# Allegro board ad-fmcmotcon1-ebz_layout.brd (continued)
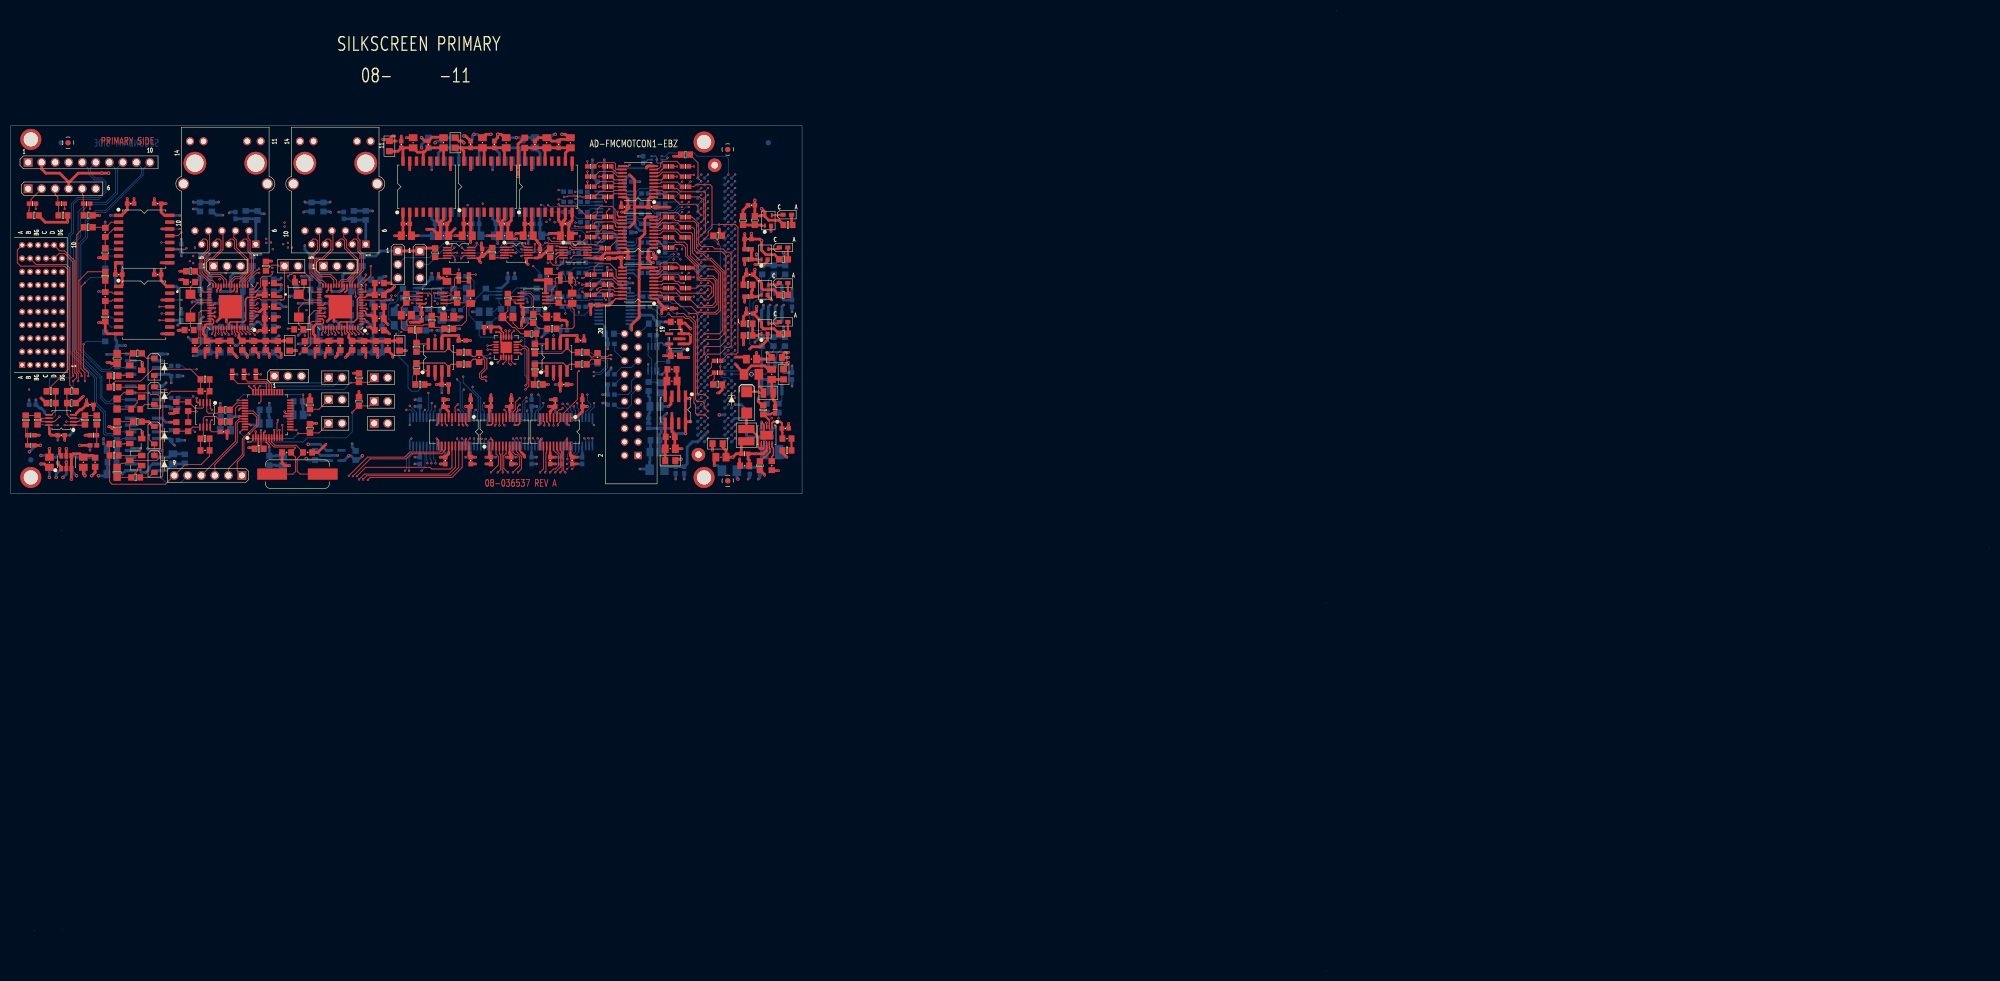
[diagram p0: board, top side]
## Placement (name value [footprint] x y rotation side) (continued)
R106  4.7K  [R0603]  7.59 108.78 0 bottom
R107  4.7K  [R0603]  16.17 103.38 90 bottom
R108  4.7K  [R0603]  11.4 108.78 180 bottom
R109  470  [R0603]  7.59 106.55 180 bottom
R110  470  [R0603]  11.4 106.55 0 bottom
R111  470  [R0603]  5.05 103.38 270 bottom
R112  470  [R0603]  13.94 103.38 270 bottom
R113  22  [R0603]  17.75 119 90 bottom
R114  22  [R0603]  17.75 126.56 270 bottom
R115  22  [R0603]  17.75 131 90 bottom
R116  22  [R0603]  17.75 138.62 270 bottom
R117  24K  [R0402]  99.99 130.37 0 bottom
R118  24K  [R0402]  84.75 130.37 0 bottom
R119  24K  [R0402]  99.67 124.02 180 bottom
R120  24K  [R0402]  83.79 124.02 180 bottom
R121  22  [R0603]  98.72 127.19 270 bottom
R122  22  [R0603]  89.19 127.19 270 bottom
R123  22  [R0603]  83.16 127.19 270 bottom
R124  22  [R0603]  73.63 127.19 270 bottom
R125  51K  [R0603]  94.27 123.38 270 bottom
R126  51K  [R0603]  78.4 123.38 270 bottom
R127  51K  [R0603]  92.05 123.38 90 bottom
R128  51K  [R0603]  76.17 123.38 90 bottom
R129  1K  [R0603]  99.03 110.05 0 bottom
R130  1K  [R0603]  99.67 120.21 180 bottom
R131  1K  [R0603]  76.81 110.05 180 bottom
R132  1K  [R0603]  77.13 120.21 180 bottom
R133  301  [R0603]  98.4 113.22 90 bottom
R134  301  [R0603]  76.17 113.22 90 bottom
R135  301  [R0603]  98.4 117.03 270 bottom
R136  301  [R0603]  76.17 117.03 270 bottom
R137  22  [R0603]  107.29 113.86 0 bottom
R138  22  [R0603]  107.29 116.08 0 bottom
R139  22  [R0603]  85.06 113.86 0 bottom
R140  22  [R0603]  85.06 116.08 0 bottom
R141  0  [R0402]  30.77 101.47 180 bottom
R142  0  [R0402]  30.77 107.51 180 bottom
R143  0  [R0402]  30.77 113.54 180 bottom
R144  10K  [R0603]  101.26 134.81 90 top
R145  10K  [R0603]  79.67 134.81 90 top
R146  100  [R0603]  19.98 100.52 270 bottom
R147  100  [R0603]  19.98 106.55 270 bottom
R148  100  [R0603]  19.98 112.59 270 bottom
R149  10K  [R0603]  90.4 134.87 90 top
R150  10K  [R0603]  46.65 97.98 0 top
R151  10K  [R0603]  56.17 106.24 270 top
R152  10K  [R0603]  56.17 101.79 270 top
R153  10K  [R0603]  65.38 111.32 270 top
R154  10K  [R0603]  65.38 106.87 270 top
R155  0  [R0402]  46.01 111.95 90 top
R156  0  [R0402]  43.79 111.95 90 top
R157  0  [R0402]  41.57 111.95 90 top
R158  10K  [R0603]  40.3 105.28 180 top
R159  10K  [R0603]  40.3 103.06 180 top
R160  10K  [R0603]  36.49 111 180 top
R161  10K  [R0603]  36.49 99.89 0 top
R162  10K  [R0603]  33.31 105.92 90 top
R163  10K  [R0603]  33.31 102.11 270 top
R164  10K  [R0603]  31.09 105.92 270 top
R165  10K  [R0603]  31.09 102.11 90 top
R166  2.2K  [R0805]  19.98 106.36 270 top
R167  3.3  [R0603]  23.47 105.41 0 top
R168  3.3  [R0603]  23.79 115.89 180 top
R169  2.2K  [R0805]  19.98 114.94 270 top
R170  2.2K  [R0805]  19.98 93.54 270 top
R171  3.3  [R0603]  23.47 92.58 0 top
R172  3.3  [R0603]  23.79 103.06 180 top
R173  2.2K  [R0805]  19.98 102.11 270 top
R174  4.7  [R0603]  19.41 109.54 180 top
R175  4.7  [R0603]  19.41 111.7 0 top
R176  4.7  [R0603]  19.41 96.71 180 top
R177  4.7  [R0603]  19.41 98.87 0 top
R178  4.7K  [R0603]  14.58 141.8 180 top
R179  4.7K  [R0603]  9.82 141.8 180 top
R180  4.7K  [R0603]  4.42 141.8 180 top
R181  10  [R0402]  4.1 144.02 0 top
R182  10  [R0402]  9.5 144.02 0 top
R183  10  [R0402]  14.26 144.02 0 top
R184  10K  [R0603]  120.62 121.48 180 bottom
R185  1.5K  [R0603]  132.69 137.99 180 top
R186  1.5K  [R0603]  132.69 110.05 180 top
R187  0  [R0402]  132.69 112.27 180 top
R188  0  [R0402]  132.69 114.49 180 top
R189  1K  [R0603]  112.37 119.57 0 bottom
R190  0  [R0402]  112.69 117.67 180 bottom
R191  100  [R0603]  126.66 153.23 0 top
R192  4.7K  [R0603]  143.17 118.11 270 bottom
R193  1K  [R0603]  144.12 105.6 90 bottom
R194  4.7K  [R0603]  145.33 118.11 270 bottom
R195  1K  [R0603]  141.9 105.6 90 bottom
R196  4.7K  [R0603]  141.01 118.11 270 bottom
R197  4.99K  [R0603]  33.76 131.32 180 top
R198  4.99K  [R0603]  47.92 132.27 270 top
R199  1MEG  [R0603]  35.53 143.38 270 bottom
R200  4.99K  [R0603]  53.63 127.51 270 bottom
R201  1MEG  [R0603]  56.49 143.38 270 bottom
R202  82K  [R0603]  139.67 140.84 270 top
R203  20K  [R0603]  137.45 140.84 90 top
R204  10.2K  [R0603]  119.74 109.66 90 bottom
R205  2.55K  [R0805]  122.02 109.41 270 bottom
R206  33  [R0402]  123.42 113.73 270 bottom
R207  33  [R0402]  120.62 119.32 0 bottom
R208  120  [R0603]  145.9 140.02 0 top
R209  62K  [R0402]  138.4 133.54 0 top
R210  36K  [R0402]  138.4 135.45 180 top
R211  120  [R0603]  145.07 133.54 0 top
R212  68.1K  [R0402]  138.4 126.56 0 top
R213  10K  [R0603]  138.4 128.78 180 top
R214  120  [R0603]  145.07 126.87 0 top
R215  180K  [R0603]  138.4 119.25 0 top
R216  10K  [R0603]  138.4 121.48 180 top
R217  120  [R0603]  145.07 119.57 0 top
R218  31.6K  [R0603]  141.26 105.28 270 top
R219  69.8K  [R0603]  140.63 94.81 270 top
R220  95.3K  [R0402]  143.48 105.28 90 top
R221  2.74K  [R0603]  145.71 97.66 180 top
R222  1  [R0402]  137.77 97.03 0 top
R223  33  [R0402]  122.21 145.92 180 bottom
R224  33  [R0402]  122.21 144.02 180 bottom
R225  33  [R0402]  119.04 145.92 180 bottom
R226  33  [R0402]  104.43 146.24 0 bottom
R227  33  [R0402]  107.61 146.24 0 bottom
R228  33  [R0402]  107.61 144.34 0 bottom
R229  0  [R0402]  15.53 98.62 0 top
R230  0  [R0402]  3.78 98.62 180 top
R231  0  [R0402]  15.53 100.52 0 top
R232  0  [R0402]  3.78 100.52 180 top
R233  0  [R0402]  3.78 98.62 180 bottom
R234  0  [R0402]  15.53 98.62 0 bottom
R235  0  [R0402]  3.78 100.52 180 bottom
R236  0  [R0402]  15.53 100.52 0 bottom
R237  33  [R0402]  119.04 144.02 180 bottom
R238  33  [R0402]  119.04 140.21 180 bottom
R239  33  [R0402]  119.35 126.56 180 bottom
R240  33  [R0402]  119.35 124.65 180 bottom
R241  33  [R0402]  104.43 144.34 0 bottom
R242  33  [R0402]  104.43 142.43 0 bottom
R243  33  [R0402]  104.43 140.53 0 bottom
R244  33  [R0402]  104.11 126.56 0 bottom
R245  33  [R0402]  104.11 124.65 0 bottom
R246  33  [R0402]  107.61 142.43 0 bottom
R247  33  [R0402]  107.61 140.53 0 bottom
R248  33  [R0402]  107.29 126.56 0 bottom
R249  33  [R0402]  107.29 124.65 0 bottom
U1  ADG3308BRUZ  [TSSOP20]  117.77 148.15 90 top
U2  ADG3308BRUZ  [TSSOP20]  117.77 138.62 90 top
U3  ADG3308BRUZ  [TSSOP20]  113.32 133.86 270 bottom
U4  ADG3308BRUZ  [TSSOP20]  117.77 129.1 90 top
U5  ADUM7640CRQZ  [QSOP20]  83.16 101.16 180 top
U6  ADUM7640CRQZ  [QSOP20]  92.68 101.16 0 top
U7  ADG3308BRUZ  [TSSOP20]  113.32 143.38 270 bottom
U8  AD7401AYRWZ  [SO16WB]  25.06 137.35 270 top
U9  AD7401AYRWZ  [SO16WB]  25.06 124.02 270 top
U10  AD8646ARMZ  [MSOP8]  98.08 126.24 90 top
U11  AD8646ARMZ  [MSOP8]  79.03 126.24 90 top
U12  AD8137YRZ  [SO8]  102.53 115.13 0 top
U13  AD8137YRZ  [SO8]  80.3 115.13 0 top
U14  AD7401AYRWZ  [SO16WB]  25.06 124.02 90 bottom
U15  AD7401AYRWZ  [SO16WB]  25.06 137.35 90 bottom
U16  AD8646ARMZ  [MSOP8]  93.95 127.19 270 bottom
U17  AD8646ARMZ  [MSOP8]  78.4 127.19 270 bottom
U18  AD8137YRZ  [SO8]  102.53 115.13 0 bottom
U19  AD8137YRZ  [SO8]  80.3 115.13 0 bottom
U20  ADG704BRMZ  [USO10]  106.02 134.81 270 top
U21  ADG704BRMZ  [USO10]  84.18 134.75 270 top
U22  ADN4662BRZ  [SO8]  25.06 101.79 90 bottom
U23  ADN4662BRZ  [SO8]  25.06 107.82 90 bottom
U24  ADN4662BRZ  [SO8]  25.06 113.86 90 bottom
U25  ADG704BRMZ  [USO10]  94.91 134.81 270 top
U26  AD2S1210DSTZ  [LQFP48]  48.23 104.33 0 top
U27  AT24C32CN-SH  [SO8]  142.85 111.63 180 bottom
U28  88E1512-56QFN  [QFN56_8X8_PAD4_37X4_37]  41.25 124.65 90 top
U29  88E1512-56QFN  [QFN56_8X8_PAD4_37X4_37]  61.89 124.65 90 top
U30  ADR3425ARJZ  [SOT23_6-2]  10.45 95.44 0 top
U31  ADR3425ARJZ  [SOT23_6-2]  10.45 95.44 0 bottom
U32  AT24C32CN-SH  [SO8]  142.85 125.29 180 bottom
U33  ADUM5000ARWZ  [SO16WB]  94.91 147.19 180 bottom
U34  ADP1614ACPZ-1.3  [QFN10_3X3_PAD2_38X1_64]  141.9 100.52 180 top
U35  ADUM5000ARWZ  [SO16WB]  100.94 147.19 0 top
U36  ADUM5000ARWZ  [SO16WB]  89.51 147.19 0 top
U37  ADM660ARZ  [SO8]  25.06 95.76 270 bottom
U38  ADM7160AUJZ-3.3  [TSOT-5]  124.75 118.62 90 top
U39  ADM660ARZ  [SO8]  124.75 105.28 180 top
U40  ADUM5000ARWZ  [SO16WB]  78.08 147.19 0 top
U41  ADUM7640CRQZ  [QSOP20]  77.76 101.16 180 bottom
U42  ADUM7640CRQZ  [QSOP20]  87.29 101.16 180 bottom
U43  ADG759BCPZ  [QFN20_4X4_PAD2_1X2_1]  93 117.03 0 top
U44  ADUM7640CRQZ  [QSOP20]  102.21 101.16 180 top
U45  ADUM7641CRQZ  [QSOP20]  96.81 101.16 0 bottom
U46  ADP151AUJZ-3.3-R7  [TSOT-5]  60.93 96.71 90 bottom
U47  ADUM5000ARWZ  [SO16WB]  83.48 147.19 180 bottom
U48  ADUM7640CRQZ  [QSOP20]  106.34 101.16 0 bottom
U49  ADG3308BRUZ  [TSSOP20]  113.32 124.33 270 bottom
U50  ADR3425ARJZ  [SOT23_6-2]  120.94 102.74 270 bottom
Y1  8.192MEGHz  [YSML450W190H130]  53.82 93.22 180 top
Y2  25MEGHz  [YSML197W126H39]  33.76 124.84 270 top
Y3  25MEGHz  [YSML197W126H39]  54.08 124.84 270 top

## Library data of the parts
A1 = ADM108X: User Part Number: UPN; part number: ADM108X_SM-ADM1086AKSZ,E018869,SC70-6,N/A
A2 A3 A6 = ADA4084_2: User Part Number: UPN; part number: ADA4084_2_SM-ADA4084-2ARMZ,E018878,MSOP8,N/A
A4 = AD8662: User Part Number: UPN; part number: AD8662_SM-AD8662ARMZ,E018913,MSOP8,N/A
A5 A7-A9 = ADCMP35X: User Part Number: UPN; part number: ADCMP35X_SM-ADCMP354YKSZ,E013345,SC70_4,N/A
C1-C23 C26 C27 C36-C39 C42-C44 C47 C48 C57-C60 C63-C68 C81-C85 C87 C88 C90-C92 C94 C95 C103 C109 C116 C142 C148 C154 C161 C188 C191-C194 C196-C198 C200 C201 C207 C208 C211 C212 C216 C217 C229 C232 C234 C236 C240-C252 C255 C257 C259 C261 C264 C266 C270-C277 = CAP: Tolerance: 10; User Part Number: UPN; alternate symbols: (C0402H22_ALT,C0201-2,C0402_A); part number: CAP_SM-0.1UF,16V,10,E007200,C0402; tolerance: 10
C24 C25 C45 C46 = CAP: Tolerance: 5; User Part Number: UPN; alternate symbols: (C0402H22_ALT,C0201-2,C0402_A); part number: CAP_SM-47000PF,25V,5,E012692,C0603; tolerance: 5
C28 C29 C49 C50 = CAP: Tolerance: 5; User Part Number: UPN; alternate symbols: (C0402H22_ALT,C0201-2,C0402_A); part number: CAP_SM-68PF,100V,5,E012805,C0805; tolerance: 5
C30 C31 C34 C35 C51 C52 C55 C56 = CAP: Tolerance: 5; User Part Number: UPN; alternate symbols: (C0402H22_ALT,C0201-2,C0402_A); part number: CAP_SM-100PF,100V,5,E000465,C0805; tolerance: 5
C32 C33 C53 C54 = CAP: Tolerance: 0.25pF; User Part Number: UPN; alternate symbols: (C0402H22_ALT,C0201-2,C0402_A); part number: CAP_SM-8.2PF,50V,0.25PF,E018316,C0805; tolerance: 0.25pF
C40 C41 C61 C62 C222 C227 C228 C239 = CAP: User Part Number: UPN; alternate symbols: (C0402H22_ALT,C0201-2,C0402_A); part number: CAP_SM-TBD0603,TBD0603,TBD0603,E000382,C0603
C69 C70 = CAP: Tolerance: 5; User Part Number: UPN; alternate symbols: (C0402H22_ALT,C0201-2,C0402_A); part number: CAP_SM-20PF,100V,5,E004851,C0603; tolerance: 5
C71 C72 C76 C78 C138 C183 C199 C202 = CAP: Tolerance: 5; User Part Number: UPN; alternate symbols: (C0402H22_ALT,C0201-2,C0402_A); part number: CAP_SM-0.01UF,25V,5,E012400,C0603; tolerance: 5
C73 C75 C77 = CAP: Tolerance: 10; User Part Number: UPN; alternate symbols: (C0402H22_ALT,C0201-2,C0402_A); part number: CAP_SM-4.7UF,16V,10,E011042,C0805; tolerance: 10
C74 C195 C203 C205 C209 C210 C214 C215 C218 C219 C221 C231 C233 C235 C238 C256 C258 C260 C262 C263 C265 C267 = CAP: Tolerance: 10; User Part Number: UPN; alternate symbols: (C0402H22_ALT,C0201-2,C0402_A); part number: CAP_SM-10UF,16V,10,E006166,C0805; tolerance: 10
C79 C80 = CAP: Tolerance: 5; User Part Number: UPN; alternate symbols: (C0402H22_ALT,C0201-2,C0402_A); part number: CAP_SM-120PF,50V,5,E000399,C0603; tolerance: 5
C86 = CAP: Tolerance: 20; User Part Number: UPN; alternate symbols: (C0402H22_ALT,C0201-2,C0402_A); part number: CAP_SM-47UF,16V,20,E013836,C1210-2; tolerance: 20
C89 C93 = CAP: Tolerance: 20; User Part Number: UPN; alternate symbols: (C0402H22_ALT,C0201-2,C0402_A); part number: CAP_SM-47UF,6.3V,20,E006154,C1206; tolerance: 20
C96 C98-C102 C105-C107 C111-C114 C118 C121 C126 C134 C137 C140 C141 C143-C147 C150-C152 C156-C159 C163 C166 C171 C179 C182 C185 = CAP: Tolerance: 10; User Part Number: UPN; alternate symbols: (C0402H22_ALT,C0201-2,C0402_A); part number: CAP_SM-0.1UF,50V,10,E011865,C0603; tolerance: 10
C97 C204 C223 C226 C230 C237 = CAP: Tolerance: 10; User Part Number: UPN; alternate symbols: (C0402H22_ALT,C0201-2,C0402_A); part number: CAP_SM-2.2UF,25V,10,E006147,C0805; tolerance: 10
C104 C108 C115 C119 C120 C123 C128 C129 C149 C153 C160 C164 C165 C168 C173 C174 = CAP: Tolerance: 20; User Part Number: UPN; alternate symbols: (C0402H22_ALT,C0201-2,C0402_A); part number: CAP_SM-10UF,6.3V,20,E007143,C0603; tolerance: 20
C110 C122 C130 C131 C155 C167 C175 C176 = CAP: Tolerance: 10; User Part Number: UPN; alternate symbols: (C0402H22_ALT,C0201-2,C0402_A); part number: CAP_SM-4.7UF,6.3V,10,E010382,C0603; tolerance: 10
C117 C124 C125 C127 C132 C133 C162 C169 C170 C172 C177 C178 C213 C224 C225 C253 C254 = CAP: Tolerance: 10; User Part Number: UPN; alternate symbols: (C0402H22_ALT,C0201-2,C0402_A); part number: CAP_SM-1UF,16V,10,E006882,C0603; tolerance: 10
C135 C136 C180 C181 = CAP: Tolerance: 5; User Part Number: UPN; alternate symbols: (C0402H22_ALT,C0201-2,C0402_A); part number: CAP_SM-27PF,50V,5,E000395,C0603; tolerance: 5
C139 C184 = CAP: Tolerance: 5; User Part Number: UPN; alternate symbols: (C0402H22_ALT,C0201-2,C0402_A); part number: CAP_SM-1000PF,50V,5,E012419,C0402; tolerance: 5
C186 C187 C501 = CAP: Tolerance: 10; User Part Number: UPN; alternate symbols: (C0402H22_ALT,C0201-2,C0402_A); part number: CAP_SM-1UF,25V,10,E006992,C0603; tolerance: 10
C189 C190 C268 C269 C502 C503 = CAP: Tolerance: 10; User Part Number: UPN; alternate symbols: (C0402H22_ALT,C0201-2,C0402_A); part number: CAP_SM-0.1UF,50V,10,E010137,C0805; tolerance: 10
C206 = CAP: Tolerance: 5; User Part Number: UPN; alternate symbols: (C0402H22_ALT,C0201-2,C0402_A); part number: CAP_SM-10PF,50V,5,E007982,C0402; tolerance: 5
C220 = CAP: Tolerance: 10; User Part Number: UPN; alternate symbols: (C0402H22_ALT,C0201-2,C0402_A); part number: CAP_SM-0.47UF,50V,10,E010718,C1206; tolerance: 10
D1-D4 = DIO: User Part Number: UPN; Tolerance: N/A; part number: DIO_SM-1N4148W-7-F,100V,N/A,E018902,SOD123-2; tolerance: N/A
D5 = DIOSCHOTTKY: User Part Number: UPN; Tolerance: N/A; part number: DIOSCHOTTKY_SM-B240A-E3/61T,40V,N/A,E019041,SMA; tolerance: N/A
DS1-DS3 DS7 = DIOLED: Tolerance: N/A; User Part Number: UPN; part number: DIOLED_SM-SML-310MTT86,2.8V,N/A,E001179,LED0603; tolerance: N/A
E1-E20 = FERRITE: Tolerance: 5; User Part Number: UPN; part number: FERRITE_SM-330NH,5,E002351,L0805; tolerance: 5
L1 = IND: Tolerance: 20; User Part Number: UPN; alternate symbols: (L0402-2,L0603_ALT); part number: IND_SM-1.5UH,20,E016318,LSML126W110H95; tolerance: 20
L2 = IND: Tolerance: 5; User Part Number: UPN; alternate symbols: (L0402-2,L0603_ALT); part number: IND_SM-110NH,5,E016398,L9075; tolerance: 5
P1 = CN160P_CDGH_V2: User Part Number: UPN; part number: CN160P_CDGH_V2_SM-ASP-134604-01,E011383,CNSAMTECASP-134604-01
P2 = CNTYCO60P: User Part Number: UPN; part number: CNTYCO60P_TH-6469028-1,E006775,CNTYCO1469028-1
P3-P6 P14 P17 P19 = CN2P: User Part Number: UPN; part number: CN2P_TH-TSW-102-08-G-S,E006296,CNSAMTEC1X2H330LD36
P7 P16 = CN6P: User Part Number: UPN; part number: CN6P_TH-SAMTECTSW10608GS6PIN,E000872,CNBERG1X6H205LD36
P8 = CN10P: User Part Number: UPN; part number: CN10P_TH-TSW-110-08-G-S,E012272,CNSAMTEC-SSW11001GS
P9 P11 P12 P18 P20 = CN3P: User Part Number: UPN; part number: CN3P_TH-SAMTECTSW10608GS3PIN,E000812,CNBERG1X3H205LD36
P10 = CN20P_V2: User Part Number: UPN; part number: CN20P_V2_TH-5103308-5,E014687,CNHDR2X10H393
P13 P15 = CN14P_2GND_V2: User Part Number: UPN; part number: CN14P_2GND_V2_TH-V890-1AX1-A1,E018918,CNBEL-V890-1AX1-A1
Q1-Q4 = TRANNPN_V2: User Part Number: UPN; part number: TRANNPN_V2_SM-BC846BMTF,E018901,SOT23
R1-R11 R14-R25 R27-R68 R206 R207 R223-R228 R237-R249 = RES: Tolerance: 5; User Part Number: UPN; alternate symbols: (RRAD984L1500W75H520LD32;TO220H590_ALT;R0402_A); part number: RES_SM-33,1/16W,5,E003452,R0402; tolerance: 5
R12 R13 R26 R178-R180 R192 R194 R196 = RES: Tolerance: 1; User Part Number: UPN; alternate symbols: (RRAD984L1500W75H520LD32;TO220H590_ALT;R0402_A); part number: RES_SM-4.7K,1/16W,1,E004242,R0603; tolerance: 1
R69-R72 R105-R108 = RES: Tolerance: 0.1; User Part Number: UPN; alternate symbols: (RRAD984L1500W75H520LD32;TO220H590_ALT;R0402_A); part number: RES_SM-4.7K,0.1W,0.1,E017400,R0603; tolerance: 0.1
R73-R76 R109-R112 = RES: Tolerance: 0.05; User Part Number: UPN; alternate symbols: (RRAD984L1500W75H520LD32;TO220H590_ALT;R0402_A); part number: RES_SM-470,1/16W,0.05,E004018,R0603; tolerance: 0.05
R77-R80 R85-R88 R101-R104 R113-R116 R121-R124 R137-R140 = RES: Tolerance: 1; User Part Number: UPN; alternate symbols: (RRAD984L1500W75H520LD32;TO220H590_ALT;R0402_A); part number: RES_SM-22,1/16W,1,E004223,R0603; tolerance: 1
R81-R84 R117-R120 = RES: Tolerance: 1; User Part Number: UPN; alternate symbols: (RRAD984L1500W75H520LD32;TO220H590_ALT;R0402_A); part number: RES_SM-24K,1/10W,1,E012706,R0402; tolerance: 1
R89-R92 R125-R128 = RES: Tolerance: 1; User Part Number: UPN; alternate symbols: (RRAD984L1500W75H520LD32;TO220H590_ALT;R0402_A); part number: RES_SM-51K,1/10W,1,E014698,R0603; tolerance: 1
R93-R96 R129-R132 R189 R193 R195 = RES: Tolerance: 1; User Part Number: UPN; alternate symbols: (RRAD984L1500W75H520LD32;TO220H590_ALT;R0402_A); part number: RES_SM-1K,1/10W,1,E003678,R0603; tolerance: 1
R97-R100 R133-R136 = RES: Tolerance: 1; User Part Number: UPN; alternate symbols: (RRAD984L1500W75H520LD32;TO220H590_ALT;R0402_A); part number: RES_SM-301,1/10W,1,E003699,R0603; tolerance: 1
R141-R143 R155-R157 R187 R188 R190 R229-R236 = RES: Tolerance: 1; User Part Number: UPN; alternate symbols: (RRAD984L1500W75H520LD32;TO220H590_ALT;R0402_A); part number: RES_SM-0,1/16W,1,E010661,R0402; tolerance: 1
R144 R145 R149-R154 R158-R165 R184 R213 R216 = RES: Tolerance: 1; User Part Number: UPN; alternate symbols: (RRAD984L1500W75H520LD32;TO220H590_ALT;R0402_A); part number: RES_SM-10K,1/10W,1,E003671,R0603; tolerance: 1
R146-R148 R191 = RES: Tolerance: 1; User Part Number: UPN; alternate symbols: (RRAD984L1500W75H520LD32;TO220H590_ALT;R0402_A); part number: RES_SM-100,1/10W,1,E003668,R0603; tolerance: 1
R166 R169 R170 R173 = RES: Tolerance: 0.1; User Part Number: UPN; alternate symbols: (RRAD984L1500W75H520LD32;TO220H590_ALT;R0402_A); part number: RES_SM-2.2K,1/10W,0.1,E003820,R0805; tolerance: 0.1
R167 R168 R171 R172 = RES: Tolerance: 1; User Part Number: UPN; alternate symbols: (RRAD984L1500W75H520LD32;TO220H590_ALT;R0402_A); part number: RES_SM-3.3,1/16W,1,E004238,R0603; tolerance: 1
R174-R177 = RES: Tolerance: 1; User Part Number: UPN; alternate symbols: (RRAD984L1500W75H520LD32;TO220H590_ALT;R0402_A); part number: RES_SM-4.7,1/10W,1,E003938,R0603; tolerance: 1
R181-R183 = RES: Tolerance: 1; User Part Number: UPN; alternate symbols: (RRAD984L1500W75H520LD32;TO220H590_ALT;R0402_A); part number: RES_SM-10,1/16W,1,E017858,R0402; tolerance: 1
R185 R186 = RES: Tolerance: 1; User Part Number: UPN; alternate symbols: (RRAD984L1500W75H520LD32;TO220H590_ALT;R0402_A); part number: RES_SM-1.5K,1/16W,1,E003704,R0603; tolerance: 1
R197 R198 R200 = RES: Tolerance: 1; User Part Number: UPN; alternate symbols: (RRAD984L1500W75H520LD32;TO220H590_ALT;R0402_A); part number: RES_SM-4.99K,1/10W,1,E003726,R0603; tolerance: 1
R199 R201 = RES: Tolerance: 1; User Part Number: UPN; alternate symbols: (RRAD984L1500W75H520LD32;TO220H590_ALT;R0402_A); part number: RES_SM-1MEG,1/10W,1,E003682,R0603; tolerance: 1
R202 = RES: Tolerance: 1; User Part Number: UPN; alternate symbols: (RRAD984L1500W75H520LD32;TO220H590_ALT;R0402_A); part number: RES_SM-82K,1/16W,1,E004252,R0603; tolerance: 1
R203 = RES: Tolerance: 5; User Part Number: UPN; alternate symbols: (RRAD984L1500W75H520LD32;TO220H590_ALT;R0402_A); part number: RES_SM-20K,1/10W,5,E003851,R0603; tolerance: 5
R204 = RES: Tolerance: 1; User Part Number: UPN; alternate symbols: (RRAD984L1500W75H520LD32;TO220H590_ALT;R0402_A); part number: RES_SM-10.2K,1/10W,1,E013703,R0603; tolerance: 1
R205 = RES: Tolerance: 1; User Part Number: UPN; alternate symbols: (RRAD984L1500W75H520LD32;TO220H590_ALT;R0402_A); part number: RES_SM-2.55K,1/8W,1,E003519,R0805; tolerance: 1
R208 R211 R214 R217 = RES: Tolerance: 0.1; User Part Number: UPN; alternate symbols: (RRAD984L1500W75H520LD32;TO220H590_ALT;R0402_A); part number: RES_SM-120,1/10W,0.1,E003959,R0603; tolerance: 0.1
R209 = RES: Tolerance: 1; User Part Number: UPN; alternate symbols: (RRAD984L1500W75H520LD32;TO220H590_ALT;R0402_A); part number: RES_SM-62K,1/16W,1,E003786,R0402; tolerance: 1
R210 = RES: Tolerance: 1; User Part Number: UPN; alternate symbols: (RRAD984L1500W75H520LD32;TO220H590_ALT;R0402_A); part number: RES_SM-36K,1/16W,1,E003785,R0402; tolerance: 1
R212 = RES: Tolerance: 1; User Part Number: UPN; alternate symbols: (RRAD984L1500W75H520LD32;TO220H590_ALT;R0402_A); part number: RES_SM-68.1K,1/10W,1,E014436,R0402; tolerance: 1
R215 = RES: Tolerance: 1; User Part Number: UPN; alternate symbols: (RRAD984L1500W75H520LD32;TO220H590_ALT;R0402_A); part number: RES_SM-180K,1/10W,1,E013305,R0603; tolerance: 1
R218 = RES: Tolerance: 1; User Part Number: UPN; alternate symbols: (RRAD984L1500W75H520LD32;TO220H590_ALT;R0402_A); part number: RES_SM-31.6K,1/10W,1,E013702,R0603; tolerance: 1
R219 = RES: Tolerance: 1; User Part Number: UPN; alternate symbols: (RRAD984L1500W75H520LD32;TO220H590_ALT;R0402_A); part number: RES_SM-69.8K,1/10W,1,E010277,R0603; tolerance: 1
R220 = RES: Tolerance: 1; User Part Number: UPN; alternate symbols: (RRAD984L1500W75H520LD32;TO220H590_ALT;R0402_A); part number: RES_SM-95.3K,1/16W,1,E006343,R0402; tolerance: 1
R221 = RES: Tolerance: 1; User Part Number: UPN; alternate symbols: (RRAD984L1500W75H520LD32;TO220H590_ALT;R0402_A); part number: RES_SM-2.74K,1/10W,1,E003698,R0603; tolerance: 1
R222 = RES: Tolerance: 5; User Part Number: UPN; alternate symbols: (RRAD984L1500W75H520LD32;TO220H590_ALT;R0402_A); part number: RES_SM-1,1/16W,5,E010031,R0402; tolerance: 5
U1-U4 U7 U49 = ADG3308_V2: User Part Number: UPN; part number: ADG3308_V2_SM-ADG3308BRUZ,E013813,TSSOP20,N/A
U5 U6 U41 U42 U44 U48 = ADUM7640: User Part Number: UPN; part number: ADUM7640_SM-ADUM7640CRQZ,E015556,QSOP20,N/A
U8 U9 U14 U15 = AD7401: User Part Number: UPN; part number: AD7401_SM-AD7401AYRWZ,E017532,SO16WB,N/A
U10 U11 U16 U17 = AD8646_V2: User Part Number: UPN; part number: AD8646_V2_SM-AD8646ARMZ,E018879,MSOP8,N/A
U12 U13 U18 U19 = AD8137: User Part Number: UPN; part number: AD8137_SM-AD8137YRZ,E011590,SO8
U20 U21 U25 = ADG704: User Part Number: UPN; part number: ADG704_SM-ADG704BRMZ,E005075,USO10,N/A
U22-U24 = ADN4662: User Part Number: UPN; part number: ADN4662_SM-ADN4662BRZ,E018255,SO8,N/A
U26 = AD2S1210: User Part Number: UPN; part number: AD2S1210_SM-AD2S1210DSTZ,E018114,LQFP48,N/A
U27 U32 = AT24C32: User Part Number: UPN; part number: AT24C32_SM-AT24C32CN-SH,E018881,SO8
U28 U29 = IC88E151X: User Part Number: UPN; part number: IC88E151X_SM-88E1512-56QFN,E018914,QFN56_8X8_PAD4_37X4_37
U30 U31 U50 = ADR34XX: User Part Number: UPN; part number: ADR34XX_SM-ADR3425ARJZ,E014189,SOT23_6-2,N/A
U33 U35 U36 U40 U47 = ADUM5000: User Part Number: UPN; part number: ADUM5000_SM-ADUM5000ARWZ,E018875,SO16WB,N/A
U34 = ADP1614: User Part Number: UPN; part number: ADP1614_SM-ADP1614ACPZ-1.3,E019029,QFN10_3X3_PAD2_38X1_64,N/A
U37 U39 = ADM660: User Part Number: UPN; part number: ADM660_TH-ADM660ARZ,E006022,SO8,N/A
U38 = ADM7160: User Part Number: UPN; part number: ADM7160_SM-ADM7160AUJZ-3.3,E018670,TSOT-5,N/A
U43 = ADG759: User Part Number: UPN; part number: ADG759_SM-ADG759BCPZ,E018870,QFN20_4X4_PAD2_1X2_1,N/A
U45 = ADUM7641: User Part Number: UPN; part number: ADUM7641_SM-ADUM7641CRQZ,E019144,QSOP20,N/A
U46 = ADP120_V2: User Part Number: UPN; part number: ADP120_V2_SM-ADP151AUJZ-3.3-R7,E013341,TSOT-5,N/A
Y1 = XTAL: User Part Number: UPN; part number: XTAL_SM-8.192MEGHZ,E013349,YSML450W190H130
Y2 Y3 = XTAL: User Part Number: UPN; part number: XTAL_SM-25MEGHZ,E010765,YSML197W126H39

## Footprints (pads in the part's own frame, mm; a bottom-side part is the same pattern mirrored in y, then rotated)
C0402
  rect 0.889x0.813 smd: 1(-0.635,0) 2(0.635,0)
C0603
  rect 1.092x1.194 smd: 1(-0.851,0) 2(0.851,0)
C0805
  rect 1.295x1.6 smd: 1(-0.953,0) 2(0.953,0)
C1206
  rect 1.6x2.007 smd: 1(-1.397,0) 2(1.397,0)
C1210-2
  rect 1.575x2.692 smd: 1(-1.397,0) 2(1.397,0)
CNBEL-V890-1AX1-A1
  round 4.267 hole 3.251 unplated: (15.24,11.43) (15.24,0)
  rect 1.397x1.397 hole 0.889: 1(0,0)
  round 1.397 hole 0.889: 2(0,2.54) 3(0,5.08) 4(0,7.62) 5(0,10.16) 6(2.54,1.27) 7(2.54,3.81) 8(2.54,6.35) 9(2.54,8.89) 10(2.54,11.43)
  round 1.524 hole 1.016: 11(19.355,-0.914) 12(19.355,1.626) 13(19.355,9.804) 14(19.355,12.344)
  round 2.083 hole 1.6: GND1(11.354,-2.159) GND2(11.354,13.589)
CNBERG1X3H205LD36
  rect 1.651x1.651 hole 1.143: 1(0,0)
  round 1.651 hole 1.143: 2(2.54,0) 3(5.08,0)
CNBERG1X6H205LD36
  rect 1.651x1.651 hole 1.143: 1(0,0)
  round 1.651 hole 1.143: 2(2.54,0) 3(5.08,0) 4(7.62,0) 5(10.16,0) 6(12.7,0)
CNHDR2X10H393
  rect 1.397x1.397 hole 0.889: 1(0,0)
  round 1.397 hole 0.889: 2(0,2.54) 3(2.54,0) 4(2.54,2.54) 5(5.08,0) 6(5.08,2.54) 7(7.62,0) 8(7.62,2.54) 9(10.16,0) 10(10.16,2.54) 11(12.7,0) 12(12.7,2.54) 13(15.24,0) 14(15.24,2.54) 15(17.78,0) 16(17.78,2.54) 17(20.32,0) 18(20.32,2.54) 19(22.86,0) 20(22.86,2.54)
CNSAMTEC1X2H330LD36
  rect 1.651x1.651 hole 1.143: 1(0,0)
  round 1.651 hole 1.143: 2(2.54,0)
CNSAMTEC-SSW11001GS
  rect 1.651x1.651 hole 1.143: 1(0,0)
  round 1.651 hole 1.143: 2(2.54,0) 3(5.08,0) 4(7.62,0) 5(10.16,0) 6(12.7,0) 7(15.24,0) 8(17.78,0) 9(20.32,0) 10(22.86,0)
CNSAMTECASP-134604-01
  round 2.54 hole 1.27 unplated: (-27.178,0) (27.178,3.048)
  round 0.635 smd: C1(-24.765,-3.175) C2(-23.495,-3.175) C3(-22.225,-3.175) C4(-20.955,-3.175) C5(-19.685,-3.175) C6(-18.415,-3.175) C7(-17.145,-3.175) C8(-15.875,-3.175) C9(-14.605,-3.175) C10(-13.335,-3.175) C11(-12.065,-3.175) C12(-10.795,-3.175) C13(-9.525,-3.175) C14(-8.255,-3.175) C15(-6.985,-3.175) C16(-5.715,-3.175) C17(-4.445,-3.175) C18(-3.175,-3.175) C19(-1.905,-3.175) C20(-0.635,-3.175) C21(0.635,-3.175) C22(1.905,-3.175) C23(3.175,-3.175) C24(4.445,-3.175) C25(5.715,-3.175) C26(6.985,-3.175) C27(8.255,-3.175) C28(9.525,-3.175) C29(10.795,-3.175) C30(12.065,-3.175) C31(13.335,-3.175) C32(14.605,-3.175) C33(15.875,-3.175) C34(17.145,-3.175) C35(18.415,-3.175) C36(19.685,-3.175) C37(20.955,-3.175) C38(22.225,-3.175) C39(23.495,-3.175) C40(24.765,-3.175) D1(-24.765,-1.905) D2(-23.495,-1.905) D3(-22.225,-1.905) D4(-20.955,-1.905) D5(-19.685,-1.905) D6(-18.415,-1.905) D7(-17.145,-1.905) D8(-15.875,-1.905) D9(-14.605,-1.905) D10(-13.335,-1.905) D11(-12.065,-1.905) D12(-10.795,-1.905) D13(-9.525,-1.905) D14(-8.255,-1.905) D15(-6.985,-1.905) D16(-5.715,-1.905) D17(-4.445,-1.905) D18(-3.175,-1.905) D19(-1.905,-1.905) D20(-0.635,-1.905) D21(0.635,-1.905) D22(1.905,-1.905) D23(3.175,-1.905) D24(4.445,-1.905) D25(5.715,-1.905) D26(6.985,-1.905) D27(8.255,-1.905) D28(9.525,-1.905) D29(10.795,-1.905) D30(12.065,-1.905) D31(13.335,-1.905) D32(14.605,-1.905) D33(15.875,-1.905) D34(17.145,-1.905) D35(18.415,-1.905) D36(19.685,-1.905) D37(20.955,-1.905) D38(22.225,-1.905) D39(23.495,-1.905) D40(24.765,-1.905) G1(-24.765,1.905) G2(-23.495,1.905) G3(-22.225,1.905) G4(-20.955,1.905) G5(-19.685,1.905) G6(-18.415,1.905) G7(-17.145,1.905) G8(-15.875,1.905) G9(-14.605,1.905) G10(-13.335,1.905) G11(-12.065,1.905) G12(-10.795,1.905) G13(-9.525,1.905) G14(-8.255,1.905) G15(-6.985,1.905) G16(-5.715,1.905) G17(-4.445,1.905) G18(-3.175,1.905) G19(-1.905,1.905) G20(-0.635,1.905) G21(0.635,1.905) G22(1.905,1.905) G23(3.175,1.905) G24(4.445,1.905) G25(5.715,1.905) G26(6.985,1.905) G27(8.255,1.905) G28(9.525,1.905) G29(10.795,1.905) G30(12.065,1.905) G31(13.335,1.905) G32(14.605,1.905) G33(15.875,1.905) G34(17.145,1.905) G35(18.415,1.905) G36(19.685,1.905) G37(20.955,1.905) G38(22.225,1.905) G39(23.495,1.905) G40(24.765,1.905) H1(-24.765,3.175) H2(-23.495,3.175) H3(-22.225,3.175) H4(-20.955,3.175) H5(-19.685,3.175) H6(-18.415,3.175) H7(-17.145,3.175) H8(-15.875,3.175) H9(-14.605,3.175) H10(-13.335,3.175) H11(-12.065,3.175) H12(-10.795,3.175) H13(-9.525,3.175) H14(-8.255,3.175) H15(-6.985,3.175) H16(-5.715,3.175) H17(-4.445,3.175) H18(-3.175,3.175) H19(-1.905,3.175) H20(-0.635,3.175) H21(0.635,3.175) H22(1.905,3.175) H23(3.175,3.175) H24(4.445,3.175) H25(5.715,3.175) H26(6.985,3.175) H27(8.255,3.175) H28(9.525,3.175) H29(10.795,3.175) H30(12.065,3.175) H31(13.335,3.175) H32(14.605,3.175) H33(15.875,3.175) H34(17.145,3.175) H35(18.415,3.175) H36(19.685,3.175) H37(20.955,3.175) H38(22.225,3.175) H39(23.495,3.175) H40(24.765,3.175)
CNTYCO1469028-1
  rect 1.143x1.143 hole 0.635: A1(0,0)
  round 1.143 hole 0.635: A2(2.5,0) A3(5,0) A4(7.5,0) A5(10,0) A6(12.5,0) A7(15,0) A8(17.5,0) A9(20,0) A10(22.5,0) B1(0,-1.5) B2(2.5,-1.5) B3(5,-1.5) B4(7.5,-1.5) B5(10,-1.5) B6(12.5,-1.5) B7(15,-1.5) B8(17.5,-1.5) B9(20,-1.5) B10(22.5,-1.5) BG1(0,-3) BG2(2.5,-3) BG3(5,-3) BG4(7.5,-3) BG5(10,-3) BG6(12.5,-3) BG7(15,-3) BG8(17.5,-3) BG9(20,-3) BG10(22.5,-3) C1(0,-4.5) C2(2.5,-4.5) C3(5,-4.5) C4(7.5,-4.5) C5(10,-4.5) C6(12.5,-4.5) C7(15,-4.5) C8(17.5,-4.5) C9(20,-4.5) C10(22.5,-4.5) D1(0,-6) D2(2.5,-6) D3(5,-6) D4(7.5,-6) D5(10,-6) D6(12.5,-6) D7(15,-6) D8(17.5,-6) D9(20,-6) D10(22.5,-6) DG1(0,-7.5) DG2(2.5,-7.5) DG3(5,-7.5) DG4(7.5,-7.5) DG5(10,-7.5) DG6(12.5,-7.5) DG7(15,-7.5) DG8(17.5,-7.5) DG9(20,-7.5) DG10(22.5,-7.5)
